# Altium PCB Turbo.PcbDoc (part 1 of 3) (continued)
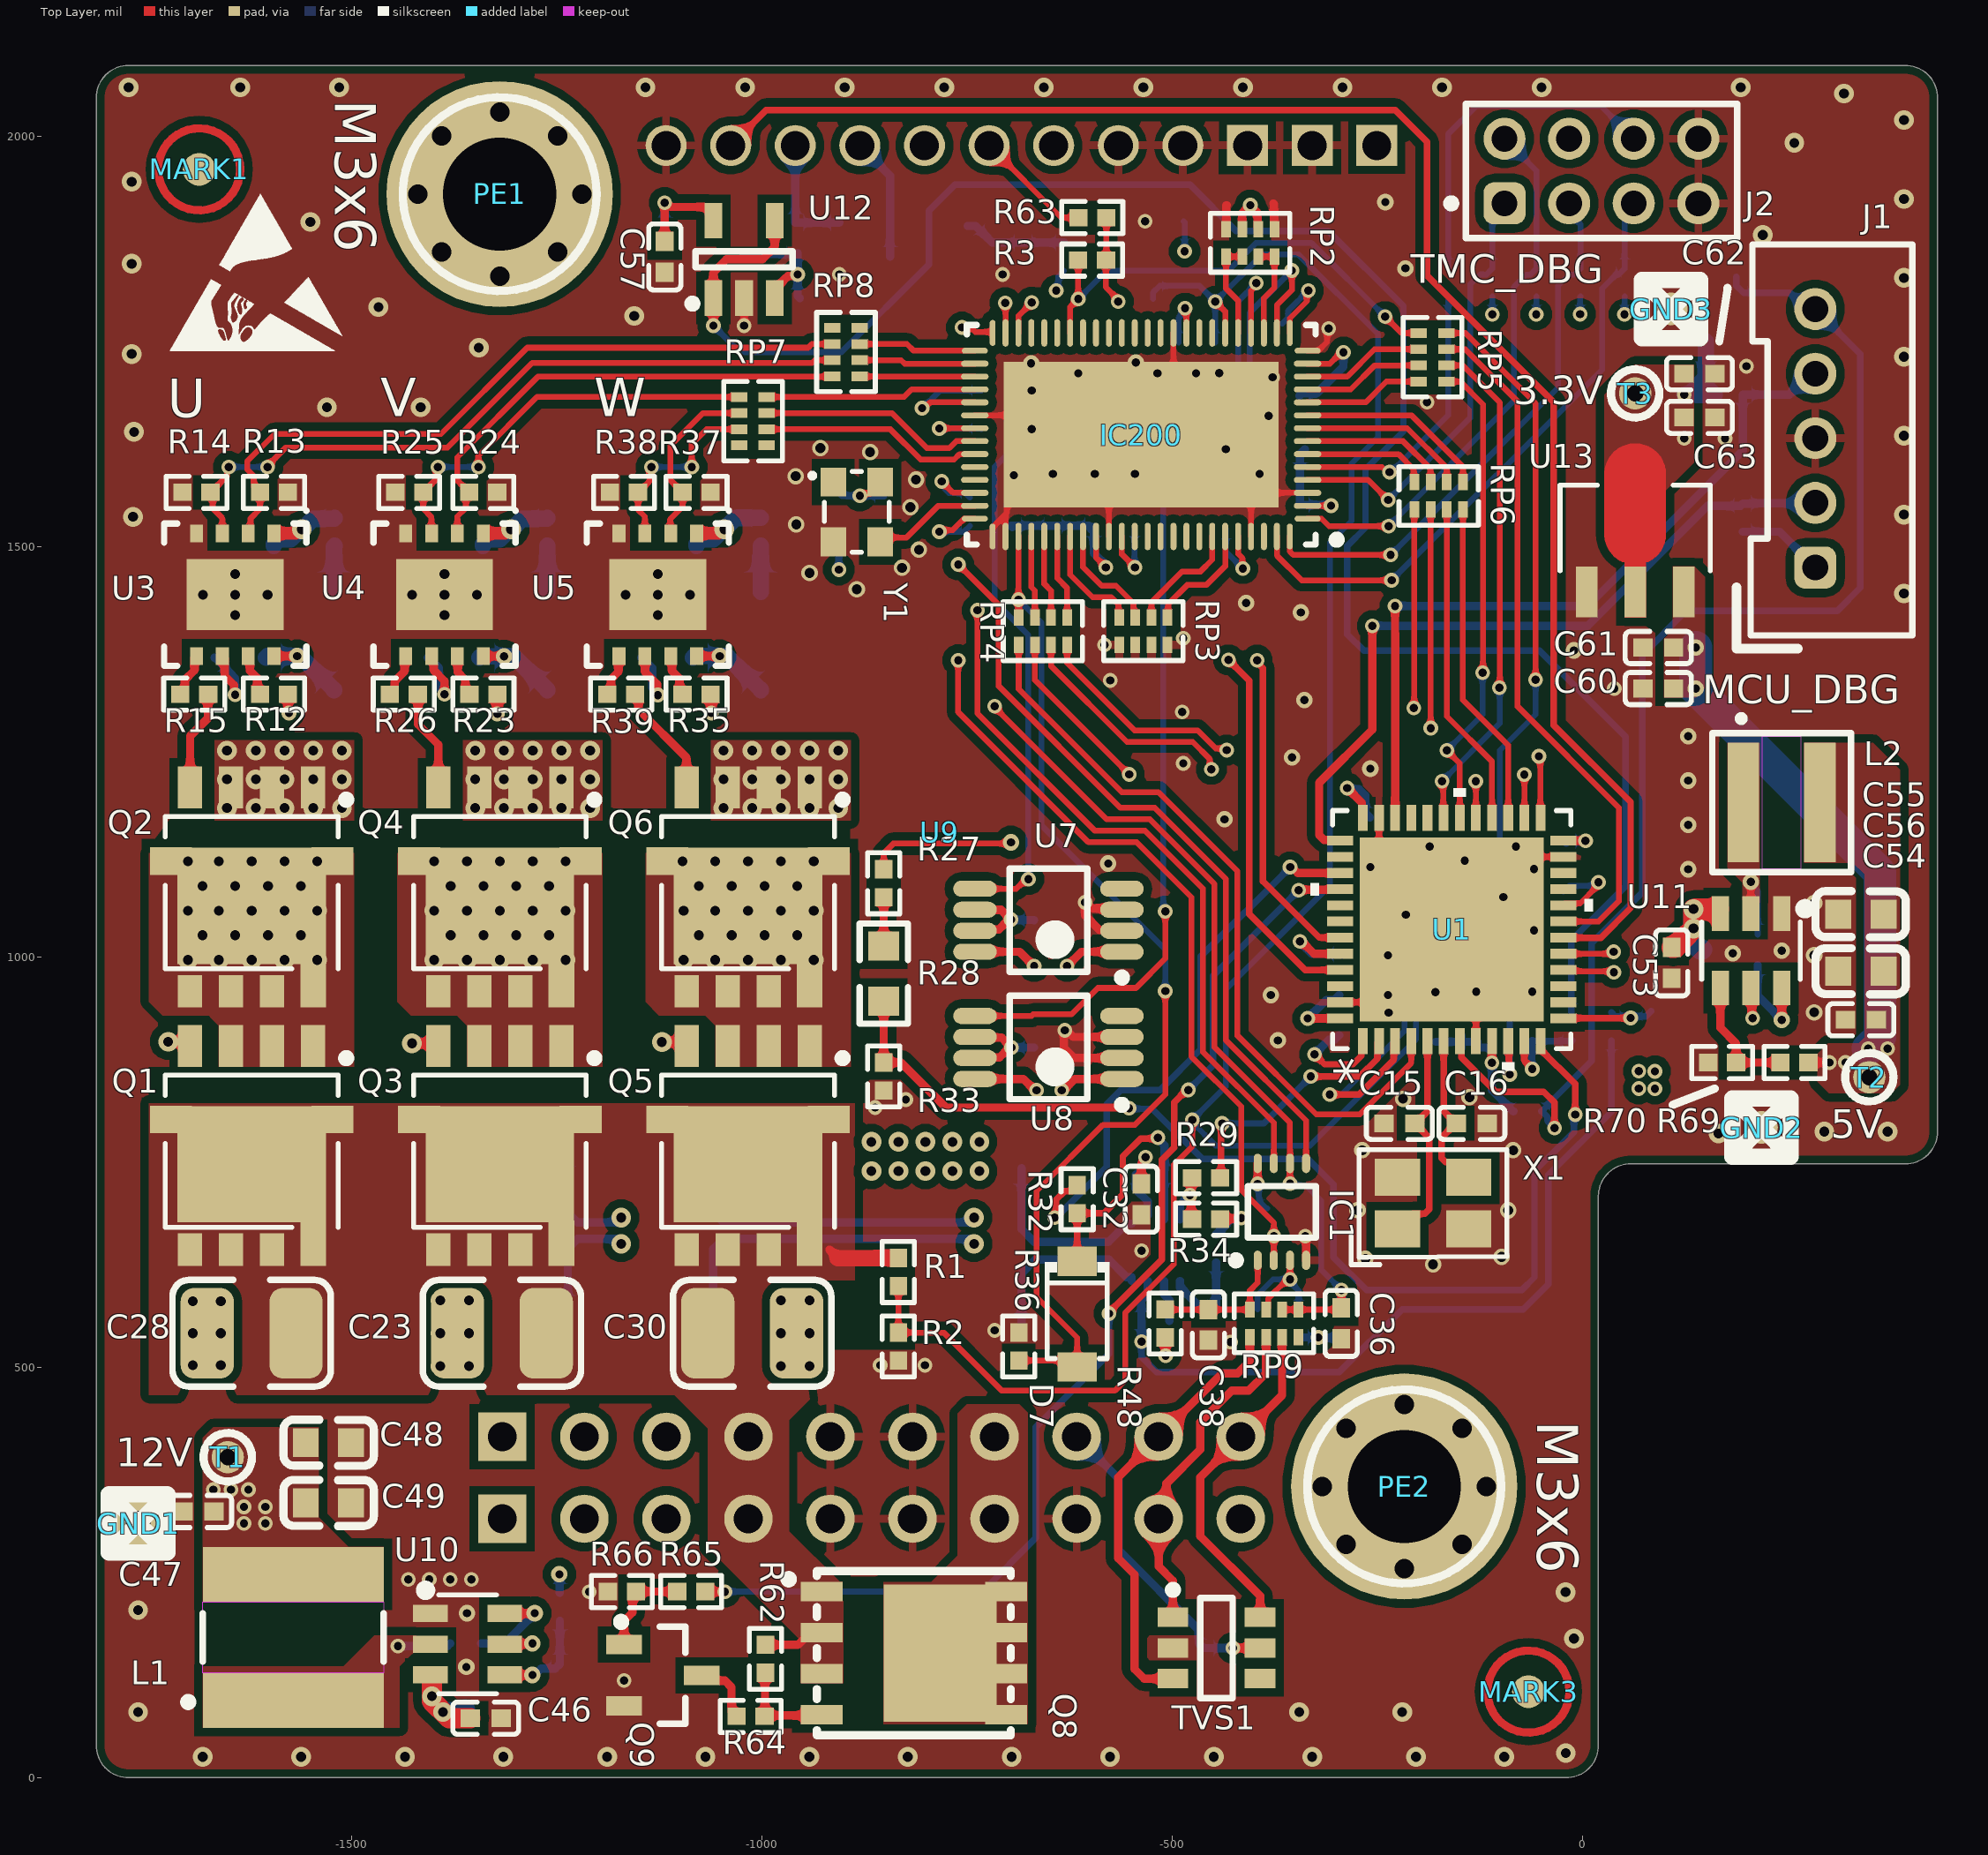
[diagram p0: Top Layer view]
## Footprints (in the part's own frame and the unit in brackets; to place one, negate y for a bottom-side part, rotate by r counter-clockwise, add the part's x,y. Pads: shape width x height; smd on the part's side, far side on the other; paste and mask are expansions set on the pad) (continued)
MARK_POINT [mil]
  round 40 smd: 0(0,0)
  Top Layer circle w10: c0,0 r50
MUS50/5/4Q [mm]
  rect 1.5x1.5 hole 0.9: 1(0,0) 2(2.54,0)
  round 1.5 hole 0.9: 3(0,-2.54) 4(2.54,-2.54) 5(0,-5.08) 6(2.54,-5.08) 7(0,-7.62) 8(2.54,-7.62) 9(0,-10.16) 10(2.54,-10.16) 11(0,-12.7) 12(2.54,-12.7) 13(0,-15.24) 14(2.54,-15.24) 15(0,-17.78) 16(2.54,-17.78) 17(0,-20.32) 18(2.54,-20.32) 19(0,-22.86) 20(2.54,-22.86)
  rect 1.27x1.27 hole 0.9: 21(42.506,-27.069) 22(42.506,-25.069) 23(42.506,-23.069)
  round 1.27 hole 0.9: 24(42.506,-21.069) 25(42.506,-19.069) 26(42.506,-17.069) 27(42.506,-15.069) 28(42.506,-13.069) 29(42.506,-11.069) 30(42.506,-9.069) 31(42.506,-7.069) 32(42.506,-5.069)
  silkscreen extent -2,-30.92 44,3.08
OSC-SMD_4P-L2.5-W2.0-BL-1 [mm] "2520"
  rect 0.9x0.8 smd paste+0 mask+0.05: 1(-0.925,-0.725) 2(0.925,-0.725) 3(0.925,0.725) 4(-0.925,0.725)
  silkscreen extent -1.25,-1.45 1.25,1
PG-TDSON-8 [mm]
  rect 1.3x0.75 smd: 1(-3.075,1.905) 2(-3.075,0.635) 3(-3.075,-0.635) 4(-3.075,-1.905)
  rect 1x0.75 smd: 5(3.225,-1.905) 6(3.225,-0.635) 7(3.225,0.635)
  rect 0.85x1.3 smd: 8(-0.8,2.5) 8(-0.8,-2.5)
  rect 3.6x4.6 smd: 8(0.585,0)
  rect 1.4x0.8 smd: 8(3.025,1.905)
  silkscreen extent -2.82,-2.68 2.54,3.05, body extent -2.95,-2.68 3.4,2.68, height 1
POWERPAK-SO-8_L6.1-W5.1-P1.27-BL-EP [mm]
  rect 0.6x1.3 smd paste-100 mask+0.051: D(-1.905,2.857) D(-0.635,2.857) D(0.635,2.857) D(1.905,2.858) G(1.905,-2.857) S(-1.905,-2.858) S(-0.635,-2.857) S(0.635,-2.857)
  rect 4.25x3.5 smd paste-100 mask+0.051: D(0,0.813)
  silkscreen extent -2.54,-4 2.54,3, body extent -2.57,-3.07 2.58,3.08, height 1.13
PSON80P400X80_HS-9N [mm] "PSON, 8-Leads, Body 4.00x4.00mm, Pitch 0.80mm, Thermal Pad 3.00x2.60mm, IPC Medium Density"
  rect 0.55x0.4 smd: 1(-1.9,1.2) 2(-1.9,0.4) 3(-1.9,-0.4) 4(-1.9,-1.2) 5(1.9,-1.2) 6(1.9,-0.4) 7(1.9,0.4) 8(1.9,1.2)
  rect 2.2x3 smd: 9(0,0)
  silkscreen extent -2.65,-2.2 2.2,2.25, body extent -2.05,-2.05 2.05,2.05, height 0.8
QFN40P1050X650X90_HS-77N [mm]
  oval 0.8x0.182 smd mask+0.051: 1(-5.15,2.6) 14(-5.15,-2.6) 39(5.15,-2.6) 52(5.15,2.6)
  oval 0.85x0.182 smd mask+0.051: 2(-5.15,2.2) 3(-5.15,1.8) 4(-5.15,1.4) 5(-5.15,1) 6(-5.15,0.6) 7(-5.15,0.2) 8(-5.15,-0.2) 9(-5.15,-0.6) 10(-5.15,-1) 11(-5.15,-1.4) 12(-5.15,-1.8) 13(-5.15,-2.2) 40(5.15,-2.2) 41(5.15,-1.8) 42(5.15,-1.4) 43(5.15,-1) 44(5.15,-0.6) 45(5.15,-0.2) 46(5.15,0.2) 47(5.15,0.6) 48(5.15,1) 49(5.15,1.4) 50(5.15,1.8) 51(5.15,2.2)
  oval 0.182x0.8 smd mask+0.051: 15(-4.6,-3.15) 38(4.6,-3.15) 53(4.6,3.15) 76(-4.6,3.15)
  oval 0.182x0.85 smd mask+0.051: 16(-4.2,-3.15) 17(-3.8,-3.15) 18(-3.4,-3.15) 19(-3,-3.15) 20(-2.6,-3.15) 21(-2.2,-3.15) 22(-1.8,-3.15) 23(-1.4,-3.15) 24(-1,-3.15) 25(-0.6,-3.15) 26(-0.2,-3.15) 27(0.2,-3.15) 28(0.6,-3.15) 29(1,-3.15) 30(1.4,-3.15) 31(1.8,-3.15) 32(2.2,-3.15) 33(2.6,-3.15) 34(3,-3.15) 35(3.4,-3.15) 36(3.8,-3.15) 37(4.2,-3.15) 54(4.2,3.15) 55(3.8,3.15) 56(3.4,3.15) 57(3,3.15) 58(2.6,3.15) 59(2.2,3.15) 60(1.8,3.15) 61(1.4,3.15) 62(1,3.15) 63(0.6,3.15) 64(0.2,3.15) 65(-0.2,3.15) 66(-0.6,3.15) 67(-1,3.15) 68(-1.4,3.15) 69(-1.8,3.15) 70(-2.2,3.15) 71(-2.6,3.15) 72(-3,3.15) 73(-3.4,3.15) 74(-3.8,3.15) 75(-4.2,3.15)
  rect 8.5x4.5 smd: 77(0,0)
  silkscreen extent -6.18,-3.4 5.4,3.4, body extent -5.25,-3.25 5.25,3.25, height 0.9
R0402#1 [mm]
  rect 0.566x0.54 smd paste-100 mask+0.051: 1(-0.433,0) 2(0.433,0)
  silkscreen extent -0.94,-0.5 0.94,0.5
R0402#2 [mm]
  rect 0.566x0.54 smd mask+0.051: 1(-0.433,0) 2(0.433,0)
  silkscreen extent -0.94,-0.5 0.94,0.5, body extent -0.5,-0.25 0.5,0.25, height 0.5
R-0603 [mm] "Chip Resistor, 2-Leads, Body 1.60x0.80mm, IPC Medium Density"
  rect 0.9x0.95 smd: 1(-0.85,0) 2(0.85,0)
  silkscreen extent -1.55,-0.75 1.55,0.75, body extent -0.85,-0.45 0.85,0.45, height 0.45
R-2512_4PIN [mm]
  rect 1x3.4 smd: 1(-3.25,-0.025) 1(-2.5,-0.025) 2(2.5,-0.025) 2(3.25,-0.025)
  silkscreen extent -4.13,-1.95 4.13,1.95, body extent -3.2,-1.6 3.2,1.57, height 0.45
RES-ARRAY-SMD_0402-8P-L2.0-W1.0-BL [mm]
  rect 0.3x0.505 smd: 1(-0.75,0.427) 2(-0.25,0.427) 3(0.25,0.427) 4(0.75,0.427) 5(0.75,-0.427) 6(0.25,-0.427) 7(-0.25,-0.427) 8(-0.75,-0.427)
  silkscreen extent -1.23,-0.91 1.23,0.91
SOD2512X100N [mm]
  rect 0.8x0.5 smd: 1(-1.3,0)
  rrect50% 0.8x0.5 smd: 2(1.3,0)
  silkscreen extent -1.42,-0.7 0.5,0.92, body extent -1.24,-0.7 1.24,0.7, height 1.1
SOD-123_L2.7-W1.6-LS3.7-RD [mm]
  rect 0.91x1.22 smd: 1(-1.635,0) 2(1.635,0)
  silkscreen extent -1.6,-1 1.38,1, body extent -1.85,-0.8 1.85,0.8, height 1.27
SODFL370X140-2N [mm]
  rect 1.25x1.2 smd: 1(-1.525,0) 2(1.525,0)
  silkscreen extent -2.22,-1 1.5,1.25, body extent -1.85,-1 1.85,1, height 1.4
SOT23-3 [mm] "SOT23, 3-Leads, Body 2.92x2.78mm, Pitch 0.95mm, IPC Medium Density"
  rect 1.1x0.6 smd: 1(-1.2,0.95) 2(-1.2,-0.95) 3(1.2,0)
  silkscreen extent -1.42,-1.5 0.7,1.78, body extent -1.5,-1.5 1.5,1.5, height 1.1
SOT23-5 [mm] "SOT23, 5-Leads, Body 2.90x2.80mm, Pitch 0.95mm, IPC Medium Density"
  rect 1.1x0.55 smd: 1(-1.2,0.95) 2(-1.2,0) 3(-1.2,-0.95) 4(1.2,-0.95) 5(1.2,0.95)
  silkscreen extent -1.5,-1.5 0.25,1.72, body extent -1.5,-1.5 1.5,1.5, height 1.1
SOT95P280X145-6N [mm] "SOT23, 6-Leads, Body 2,95x2,80mm, Pitch 0,95mm, IPC Medium Density"
  rect 0.95x0.6 smd: 1(-1.35,0.95) 2(-1.35,0) 3(-1.35,-0.95) 4(1.35,-0.95) 5(1.35,0) 6(1.35,0.95)
  silkscreen extent -1.47,-1.55 0.5,1.92, body extent -1.4,-1.55 1.4,1.55, height 1.45
SOT-23-3_L2.9-W1.3-P1.90-LS2.4-BR [mm]
  rect 1.25x0.7 smd: 1(1,-0.95) 2(1,0.95) 3(-1,0)
  silkscreen extent -0.73,-1.53 0.73,1.53, body extent -1.27,-1.45 1.23,1.45, height 1.05
SOT-23-6_L2.9-W1.6-P0.95-LS2.9-BL [mil]
  rect 20.95x42.2 smd: 1(-37.4,-45.24) 2(0,-45.24) 3(37.4,-45.24) 4(37.4,45.24) 5(0,45.24) 6(-37.4,45.24)
  silkscreen extent -72,-57 60,35, body extent -57,-57 57,57, height 45
SOT-89-3_L4.5-W2.5-P1.50-LS4.0-BR [mm]
  rect 1.575x0.672 smd: 1(0,0) 2(0,1.5) 3(0,3)
  Top Layer region: -3.644,2.448 -1.79,2.448 -1.745,2.447 -1.701,2.444 -1.657,2.439 -1.613,2.432 -1.569,2.422 -1.526,2.411 -1.484,2.398 -1.442,2.382 -1.401,2.365 -1.361,2.346 -1.321,2.325 -1.283,2.302 -1.246,2.277 -1.21,2.251 -1.176,2.223 -1.142,2.193 -1.11,2.162 -1.08,2.13 -1.051,2.096 -1.024,2.06 -0.998,2.024 -0.975,1.986 -0.953,1.947 -0.933,1.908 -0.914,1.828 0.787,1.828 0.787,1.168 -0.914,1.168 -0.933,1.089 -0.953,1.049 -0.975,1.011 -0.998,0.973 -1.024,0.936 -1.051,0.901 -1.08,0.867 -1.11,0.835 -1.142,0.803 -1.176,0.774 -1.21,0.746 -1.246,0.719 -1.283,0.695 -1.321,0.672 -1.361,0.651 -1.401,0.632 -1.442,0.614 -1.484,0.599 -1.526,0.586 -1.569,0.574 -1.613,0.565 -1.657,0.558 -1.701,0.553 -1.745,0.549 -1.79,0.548 -3.644,0.548 -3.689,0.549 -3.733,0.553 -3.777,0.558 -3.821,0.565 -3.865,0.574 -3.908,0.586 -3.95,0.599 -3.992,0.614 -4.033,0.632 -4.073,0.651 -4.113,0.672 -4.151,0.695 -4.188,0.719 -4.224,0.746 -4.259,0.774 -4.292,0.803 -4.324,0.835 -4.354,0.867 -4.383,0.901 -4.41,0.936 -4.436,0.973 -4.459,1.011 -4.481,1.049 -4.501,1.089 -4.52,1.13 -4.536,1.171 -4.55,1.213 -4.563,1.256 -4.573,1.299 -4.581,1.343 -4.588,1.387 -4.592,1.432 -4.594,1.476 -4.594,1.521 -4.592,1.565 -4.588,1.609 -4.581,1.654 -4.573,1.697 -4.563,1.741 -4.55,1.783 -4.536,1.826 -4.52,1.867 -4.501,1.908 -4.481,1.947 -4.459,1.986 -4.436,2.024 -4.41,2.06 -4.383,2.096 -4.354,2.13 -4.324,2.162 -4.292,2.193 -4.259,2.223 -4.224,2.251 -4.188,2.277 -4.151,2.302 -4.113,2.325 -4.073,2.346 -4.033,2.365 -3.992,2.382 -3.95,2.398 -3.908,2.411 -3.865,2.422 -3.821,2.432 -3.777,2.439 -3.733,2.444 -3.689,2.447
  silkscreen extent -3.31,-0.83 -0.65,3.83, body extent -3.78,-0.76 0.22,3.74, height 1.51
TP-SIP-1-GND#1 [mil]
  round 60 hole 30: 1(0,0)
  silkscreen extent -35,-35 35,35
TP-SIP-1-GND#2 [mil]
  round 40 hole 20: 1(0,0)
  silkscreen extent -35,-35 35,35
TP-SIP-1-Small [mm]
  round 1 hole 0.5: 1(0,0)
  silkscreen extent -0.75,-0.75 0.75,0.75
TSOP65P490X95-8N [mm] "TSOP, 8-Leads, Body 3.00x3.00mm, Pitch 0.65mm, IPC Medium Density"
  oval 1.35x0.5 smd: 1(-2.275,0.975) 2(-2.275,0.325) 3(-2.275,-0.325) 4(-2.275,-0.975) 5(2.275,-0.975) 6(2.275,-0.325) 7(2.275,0.325) 8(2.275,0.975)
  silkscreen extent -2.4,-1.6 1.2,1.9, body extent -2.45,-1.6 2.45,1.6, height 0.95
TSSOP50P310X90-8L [mm] "TSSOP, 8-Leads, Body 2,00x2,30mm, Pitch 0,50mm, IPC High Density"
  oval 0.6x0.25 smd: 1(-1.5,0.75) 2(-1.5,0.25) 3(-1.5,-0.25) 4(-1.5,-0.75) 5(1.5,-0.75) 6(1.5,-0.25) 7(1.5,0.25) 8(1.5,0.75)
  silkscreen extent -1.62,-1.05 0.8,1.55, body extent -1.55,-1.05 1.55,1.05, height 0.9
UFQFPN-48_7X7X0P55MM [mil]
  rect 32x12 smd paste+0 mask+0: 1(-136,108.27) 2(-136,88.58) 3(-136,68.9) 4(-136,49.21) 5(-136,29.53) 6(-136,9.84) 7(-136,-9.84) 8(-136,-29.53) 9(-136,-49.21) 10(-136,-68.9) 11(-136,-88.58) 12(-136,-108.27) 25(136,-108.27) 26(136,-88.58) 27(136,-68.9) 28(136,-49.21) 29(136,-29.53) 30(136,-9.84) 31(136,9.84) 32(136,29.53) 33(136,49.21) 34(136,68.9) 35(136,88.58) 36(136,108.27)
  rect 12x32 smd paste+0 mask+0: 13(-108.27,-136) 14(-88.58,-136) 15(-68.9,-136) 16(-49.21,-136) 17(-29.53,-136) 18(-9.84,-136) 19(9.84,-136) 20(29.53,-136) 21(49.21,-136) 22(68.9,-136) 23(88.58,-136) 24(108.27,-136) 37(108.27,136) 38(88.58,136) 39(68.9,136) 40(49.21,136) 41(29.53,136) 42(9.84,136) 43(-9.84,136) 44(-29.53,136) 45(-49.21,136) 46(-68.9,136) 47(-88.58,136) 48(-108.27,136)
  rect 224x224 smd paste-112 mask+0: 49(0,0)
  silkscreen extent -172,-172 172,172, body extent -140,-140 140,140, height 24
WE-MAPI_4020 [mm] "SMT Shielded Power Inductor, body 4.1x4.1mm"
  rect 0.98x3.7 smd: 1(-1.185,0) 2(1.185,0)
  Top Layer keep-out region: -0.595,2.05 0.595,2.05 0.595,-2.05 -0.595,-2.05
  silkscreen extent -2.15,-2.15 2.15,2.7, body extent -2.05,-2.05 2.05,2.05, height 2.1
WE-MAPI_5030 [mm] "SMD Power Inductor, 2-leads, body 5.6x5.6mm"
  rect 1.7x5.6 smd: 1(-1.95,0) 2(1.95,0)
  Top Layer keep-out region: -1.1,2.8 1.1,2.8 1.1,-2.8 -1.1,-2.8
  silkscreen extent -2.12,-2.8 0.75,3.37, body extent -2.7,-2.7 2.7,2.7, height 3.1
WSON-8_L2.0-W2.0-P0.50-BL-EP0.9 [mm]
  rect 0.25x0.521 smd: 1(-0.75,-0.95) 2(-0.25,-0.95) 3(0.25,-0.95) 4(0.75,-0.95) 5(0.75,0.95) 6(0.25,0.95) 7(-0.25,0.95) 8(-0.75,0.95)
  rect 1.613x0.902 smd: 9(-0.013,0)
  silkscreen extent -1.22,-1.47 1.06,1.06
固定孔-M3 [mm]
  round 1 hole 0.6: 1(-2.54,0) 1(-1.796,-1.796) 1(-1.796,1.796) 1(0,-2.54) 1(0,2.54) 1(1.796,-1.796) 1(1.796,1.796) 1(2.54,0)
  round 7 hole 3.5: 1(0,0)

## Part data
C1 C43: library part C-0603, "CL05B103KB5NNNC"
C2 C6 C7 C8 C9 C10 C11 C12 C13 C14 C15 C16 C17 C18 C19 C20 C21 C32 C33 C34 C39 C40 C41 C44 C46 C47 C51 C53 C54 C57 C61 C62: library part Cap, "Capacitor", LatestRevisionDate=17-Jul-2002, LatestRevisionNote="Re-released for DXP Platform.", PackageDescription="Radial Cap, Thru-Hole; 2 Leads; 0.3 in Pin Spacing", PackageReference=RAD-0.3, Published=8-Jun-2000, Publisher="Altium Limited"
C3: library part Cap, "CL05B474KP5NNNC", LatestRevisionDate=17-Jul-2002, LatestRevisionNote="Re-released for DXP Platform.", PackageDescription="Radial Cap, Thru-Hole; 2 Leads; 0.3 in Pin Spacing", PackageReference=RAD-0.3, Published=8-Jun-2000, Publisher="Altium Limited"
C4 C5: library part Cap, "CL05A475KP5NRNC", LatestRevisionDate=17-Jul-2002, LatestRevisionNote="Re-released for DXP Platform.", PackageDescription="Radial Cap, Thru-Hole; 2 Leads; 0.3 in Pin Spacing", PackageReference=RAD-0.3, Published=8-Jun-2000, Publisher="Altium Limited"
C22: library part Cap, "CL05B105KQ5NQNC", LatestRevisionDate=17-Jul-2002, LatestRevisionNote="Re-released for DXP Platform.", PackageDescription="Radial Cap, Thru-Hole; 2 Leads; 0.3 in Pin Spacing", PackageReference=RAD-0.3, Published=8-Jun-2000, Publisher="Altium Limited"
C23 C28 C30: library part C-1210, "CL32B475KBUYNNE"
C24 C25 C26: library part Cap, "CL10B105KA8NNNC", LatestRevisionDate=17-Jul-2002, LatestRevisionNote="Re-released for DXP Platform.", PackageDescription="Radial Cap, Thru-Hole; 2 Leads; 0.3 in Pin Spacing", PackageReference=RAD-0.3, Published=8-Jun-2000, Publisher="Altium Limited"
C27 C29 C31: library part C-0603, "CL10B104KB8NNNC"
C35 C42: library part Cap, "CL05B222JB5NNNC", LatestRevisionDate=17-Jul-2002, LatestRevisionNote="Re-released for DXP Platform.", PackageDescription="Radial Cap, Thru-Hole; 2 Leads; 0.3 in Pin Spacing", PackageReference=RAD-0.3, Published=8-Jun-2000, Publisher="Altium Limited"
C36 C37 C38: library part Cap, "CL05C101JB5NNNC", LatestRevisionDate=17-Jul-2002, LatestRevisionNote="Re-released for DXP Platform.", PackageDescription="Radial Cap, Thru-Hole; 2 Leads; 0.3 in Pin Spacing", PackageReference=RAD-0.3, Published=8-Jun-2000, Publisher="Altium Limited"
C45 C52: library part Cap, "CL10A225KB8NNNC", LatestRevisionDate=17-Jul-2002, LatestRevisionNote="Re-released for DXP Platform.", PackageDescription="Radial Cap, Thru-Hole; 2 Leads; 0.3 in Pin Spacing", PackageReference=RAD-0.3, Published=8-Jun-2000, Publisher="Altium Limited"
C48 C49 C55 C56: library part Cap, "CL10A106MA8NRNC", LatestRevisionDate=17-Jul-2002, LatestRevisionNote="Re-released for DXP Platform.", PackageDescription="Radial Cap, Thru-Hole; 2 Leads; 0.3 in Pin Spacing", PackageReference=RAD-0.3, Published=8-Jun-2000, Publisher="Altium Limited"
C58 C59: library part Cap, "CL05B102KB5NNNC", LatestRevisionDate=17-Jul-2002, LatestRevisionNote="Re-released for DXP Platform.", PackageDescription="Radial Cap, Thru-Hole; 2 Leads; 0.3 in Pin Spacing", PackageReference=RAD-0.3, Published=8-Jun-2000, Publisher="Altium Limited"
C60 C63: library part Cap, "CL05A106MP5NUNC", LatestRevisionDate=17-Jul-2002, LatestRevisionNote="Re-released for DXP Platform.", PackageDescription="Radial Cap, Thru-Hole; 2 Leads; 0.3 in Pin Spacing", PackageReference=RAD-0.3, Published=8-Jun-2000, Publisher="Altium Limited"
D1 D9: "品牌：NXP，型号：BAT54S，0.11A,30V，ROHS", MF=NXP, MPN=BAT54S
D2 D4 D6: library part 50491, "品牌：DIOTEC，型号：SKL110，1A，100V，ROHS", Manufacturer="Diotec  Semiconductor", HelpURL=http://diotec.com/tl_files/diotec/files/pdf/datasheets/skl12, Id=50491, Part Number=SKL110, Type=Diode
D3 D5 D8: library part ZENER, "品牌：NXP，型号：BZX384-B13，13V，SOD-323，ROHS", Manufacturer=Nexperia, HelpURL=http://assets.nexperia.com/documents/data-sheet/BZX384_SERIES.pdf, Id=50513, Part Number=BZX384-B13, Type=ZEN
D7: library part Diode_Schottky, "直流反向耐压(Vr):40V;平均整流电流(Io):3A;正向压降(Vf):500mV@3A;", Average Rectified Current (Io)=3A, Forward Voltage (Vf@If)=500mV@3A, JLCPCB Part Class=扩展库, LCSC Part Name="40V 3A 500mV@3A", Manufacturer=DIODES(美台), Manufacturer Part=B340A-13-F, Reverse Voltage (Vr)=40V, Add into BOM=yes, Convert to PCB=yes, Datasheet=https://atta.szlcsc.com/upload/public/pdf/source/20171023/C134454_15087453575121052549.pdf, Device=B340A-13-F, Name=B340A-13-F, Supplier=LCSC, Supplier Footprint=SMA(DO-214AC), Supplier Part=C85098, Symbol=B340A-13-F
FB1: library part FB-0603, "品牌：TDK，型号：MPZ1608S601A , 600 ohm@100MHz ，1 A，25%，ROHS"
GND1 GND2 GND3 T1 T2 T3: library part TP-SIP-1-Small
IC1: "品牌：TI，型号： 74LVC3G17, 1.65 V to 5.5 V, VSSOP-8，，ROH", MF="TEXAS INSTRUMENTS", MPN=SN74LVC3G17DCUR
IC200: "品牌：TRINAMIC，型号：TMC4671，ROHS", MF=TRINAMIC, MPN=TMC4671
J1: "品牌：JST 型号：B5B-PH-K-S，直插，间距2.00，5pin", 制造商=JST, 名称=插座2针，2.0间距, 物料编号=B5B-PH-K-S
J2: "WR-PHD Pin Header, THT, Vertical, pitch 2mm, 2 Row, 8P", Contact Resistance=20mOhm, Manufacturer="Wurth Elektronik", Operating Temperature Max=105°C, Operating Temperature Min=-40°C, Rated Current=2A, Withstanding Voltage=500V, Working Voltage=200V, Category="Board-to-Board Connectors", ComponentLink1Description="Website Link", ComponentLink1URL=https://www.we-online.com/redexpert/article/62000821121?ad, ComponentLink2Description="Datasheet Link", ComponentLink2URL=https://www.we-online.com/redexpert/spec/62000821121?ad, Gender="Pin Header", Manufacturer Part Number=62000821121, Match Code=WR-PHD, Mount="Through Hole", Number of Pins=8, Number of Rows=2, Orientation=Vertical, Packaging=Bag, Pitch=2mm
L1: library part 74438367100, "WE-MAPI, size 5030, 10uH, 3.3A, 70.2mOhm", Case/Size Code=5030, DC Resistance=61mOhm, DC Resistance Max=70.2mOhm, Inductance=10uH, Manufacturer="Wurth Elektronik", Operating Temperature Max=125°C, Operating Temperature Min=-40°C, Rated Current=3.3A, Saturation Current=4.8A, Self Resonant Frequency=13MHz, ComponentLink1Description="Website Link", ComponentLink1URL=https://www.we-online.com/redexpert/article/74438367100?ad, ComponentLink2Description="Datasheet Link", ComponentLink2URL=https://www.we-online.com/redexpert/spec/74438367100?ad, Height=3.1mm, Length=5.4mm, Manufacturer Part Number=74438367100, Match Code=WE-MAPI, Mount="Surface Mount", Packaging="Tape and Reel", Width=5.4mm
L2: library part 74438356150, "WE-MAPI, size 4020, 15uH, 1.9A, 230mOhm", Case/Size Code=4020, DC Resistance=200mOhm, DC Resistance Max=230mOhm, Inductance=15uH, Manufacturer="Wurth Elektronik", Operating Temperature Max=125°C, Operating Temperature Min=-40°C, Rated Current=1.9A, Saturation Current=2.1A, Self Resonant Frequency=14MHz, ComponentLink1Description="Website Link", ComponentLink1URL=https://www.we-online.com/redexpert/article/74438356150?ad, ComponentLink2Description="Datasheet Link", ComponentLink2URL=https://www.we-online.com/redexpert/spec/74438356150?ad, Height=2.1mm, Length=4.1mm, Manufacturer Part Number=74438356150, Match Code=WE-MAPI, Mount="Surface Mount", Packaging="Tape and Reel", Width=4.1mm
PE1 PE2: library part CON1, "Connector"
Q1 Q2 Q3 Q4 Q5 Q6: library part BSC027N04LS, "品牌：INFINEON，型号： BSC027N04LSG，40V，100A，ROHS", 制造商=Infineon, 名称=BSC030N08NS5ATMA1, 版本=V1.00, 物料编号=apply, 详细描述="品牌：INFINEON，型号： BSC027N04LSG，40V，100A，ROHS"
Q8: library part MOSFET-P, "类型 P沟道  / 漏源电压(Vdss) 40V  / 连续漏极电流(Id) 46A  / 功率(Pd) 5W；39W  / 导通电阻(RDS(on)@Vgs,Id) 10mΩ@15A,10V  / 阈值电压(Vgs(th)@Id) 2.3V@250uA", Continuous Drain Current (Id)=46A, Drain Source On Resistance (RDS(on)@Vgs,Id)=10mΩ@15A,10V, Drain Source Voltage (Vdss)=40V, Gate Threshold Voltage (Vgs(th)@Id)=2.3V@250uA, Input Capacitance (Ciss@Vds)=4.15nF@20V, JLCPCB Part Class="Extended Part", LCSC Part Name="P沟道 耐压:40V 电流:46A", Manufacturer=VISHAY(威世), Operating Temperature=-55℃~+150℃@(Tj), Power Dissipation (Pd)=5W；39W, Reverse Transfer Capacitance (Crss@Vds)=-, Add into BOM=yes, Convert to PCB=yes, Datasheet=https://atta.szlcsc.com/upload/public/pdf/source/20201103/C469466_DEB614A703506C939C03FF0A9B0AE822.pdf, Device=SI7463ADP-T1-GE3, Manufacturer Part=SI7463ADP-T1-GE3, Supplier=LCSC, Supplier Footprint=PowerPAK-SO-8, Supplier Part=C469466, Symbol=SI7463ADP-T1-GE3, Total Gate Charge (Qg@Vgs)=144nC@10V, Type=P沟道
R1 R36: library part Res_0402, "RC0402FR-07100KL", LatestRevisionDate=17-Jul-2002, LatestRevisionNote="Re-released for DXP Platform.", PackageDescription="Axial Device, Thru-Hole; 2 Leads; 0.3 in Pin Spacing", PackageReference=AXIAL-0.3, Published=8-Jun-2000, Publisher="Altium Limited"
R2 R3 R4 R5 R6 R7 R8 R9 R10 R16 R27 R29 R30 R32 R33 R34 R42 R43 R44 R45 R46 R47 R48 R57 R58 R63 R71 R72 R73: library part R-0603
R11 R17 R18 R19 R20 R21 R31 R49 R54 R62 R64 R65 R66: library part Res_0402, "Resistor", LatestRevisionDate=17-Jul-2002, LatestRevisionNote="Re-released for DXP Platform.", PackageDescription="Axial Device, Thru-Hole; 2 Leads; 0.3 in Pin Spacing", PackageReference=AXIAL-0.3, Published=8-Jun-2000, Publisher="Altium Limited"
R12 R13 R14 R15 R23 R24 R25 R26 R35 R37 R38 R39: library part Res, "Resistor", LatestRevisionDate=17-Jul-2002, LatestRevisionNote="Re-released for DXP Platform.", PackageDescription="Axial Device, Thru-Hole; 2 Leads; 0.3 in Pin Spacing", PackageReference=AXIAL-0.3, Published=8-Jun-2000, Publisher="Altium Limited"
R28: library part R-0603, "品牌：VISHAY，型号：NTCS0603E3103FHT，10K@25℃, 1%，B=3960,ROHS"
R40 R41: library part R-2512, "PA2512FKF7T0R004E"
R51 R55 R56: library part R-2512, "PA2512FKF7W7U5E / 7.5mOhms 2W 100PPM/C 1 % 2512"
R67 R69: library part R-0603, "RC0402FR-07100KL"
R68: library part R-0603, "RC0402FR-075K23L"
R70: library part R-0603, "RC0402FR-0713K7L"
RP2 RP3 RP4 RP5 RP6 RP7 RP8 RP9: library part RP-0603
TVS1: library part "ESD, TVS, SRV05-4.TCT", "品牌：SEMTECH ，型号：SRV05-4.TCT，ROHS", MF=SEMTECH, MPN=SRV05-4.TCT
U1: Mfr_Name=STMicroelectronics, RefDes=RefDes, Type=Type
U2: library part CAT8xxxxxI-(G)T3, "3-Pin Microprocessor Power Supply Supervisors / − CAT803: Open−Drain Active LOW Reset /  − CAT809: Push−Pull Active LOW Reset /  − CAT810: Push−Pull Active HIGH Reset", Dropout Voltage=250mV@(200mA), JLCPCB Part Class="Extended Part", LCSC Part Name=TLV70015DDCR, Manufacturer=TI(德州仪器), Maximum Input Voltage=5.5V, Operating Temperature=-40℃~+125℃@(Tj), Output Current=200mA, Output Voltage=1.5V, Power Supply Rejection Ratio (PSRR)=68dB@(1kHz), Quiescent Current (Ground Current)=55uA, Add into BOM=yes, Convert to PCB=yes, Datasheet=https://atta.szlcsc.com/upload/public/pdf/source/20230221/CBA3FAF2ECD8317094AE1D26AA0CA23B.pdf, Device=TLV70015DDCR, Manufacturer Part=TLV70015DDCR, Name=TLV70015DDCR, Number of Outputs=1, Output Polarity=正, Output Type=固定, Supplier=LCSC, Supplier Footprint=SOT-23-Thin-5, Supplier Part=C2865100, Symbol=TLV70015DDCR
U3 U4 U5: library part LM5109, "品牌：TI，型号：LM5109BSD/NOPB，ROHS", Manufacturer="Texas Instruments", HelpURL=http://www.ti.com/lit/ds/symlink/lm5109b.pdf, Id=50490, Part Number=LM5109BSD/NOPB, Type=DRV
U6: library part INA381A2IDSGR, "品牌：TI，型号：INA381A1IDGSR，ROHS", Mfr_Name="Texas Instruments", Copyright="Copyright (C) 2022 Ultra Librarian. All rights reserved.", Manufacturer_Part_Number=INA381A3IDGSR, RefDes=RefDes, Type=DEV
U7 U8: library part AD8418, "品牌：ADI，型号：AD8418ABRMZ，ROHS", Manufacturer="Analog Devices", HelpURL=http://www.analog.com/media/en/technical-documentation/data-sheets/AD8418A.pdf, Id=50496, Part Number=AD8418ABRMZ, Type=DIFAMP
U9: "品牌：长江（CJT） / A: A2005WVA-12P / B: A2541WV-2x10P"
U10 U11: library part LMR51430Y, "输入电压 4.5V~36V  / 输出电压 600mV~34.2V  / 输出电流(最大值) 3A  / 开关频率 1.1MHz  / 工作温度 -40℃~+150℃  / 静态电流(Iq) 40uA"
U12: "品牌：TI，型号：TLV333IDBVR,SOIC-8,–25°~+85°C,单运放，ROHS"
U13: library part 1117_SOT89, "SOT-89-3"
X1: library part CRYSTAL, "Crystal 8MHz ±10ppm 10pF 200 Ohm -10°C ~ 60°C Surface Mount 4-SMD, No Lead (DFN, LCC)", Frequency Stability=±10ppm, Load Capacitance=10pF, Manufacturer="Abracon LLC", Manufacturer Part Number=ABM3B-8.000MHZ-10-1-U-T, Operating Mode=Fundamental, Operating Temperature="-10°C ~ 60°C", Package / Case="4-SMD, No Lead", Ratings=-, Supplier Part Number 1=535-9721-1-ND, Category="Crystals, Oscillators, Resonators", ComponentLink1Description=http://www.abracon.com/Resonators/abm3b.pdf, ComponentLink1URL=http://www.abracon.com/Resonators/abm3b.pdf, Frequency Tolerance=±10ppm, Height - Seated (Max)="0.043\" (1.10mm)", Mounting Type="Surface Mount", Packaging="Cut Tape (CT)", Part Status=Active, Pricing 1="1=0.69, 10=0.578, 50=0.5198, 100=0.462, 500=0.4389 (USD)", Pricing 2="1000=0.336, 3000=0.315, 5000=0.3045, 10000=0.294 (USD)", RoHS="RoHS Compliant", Size / Dimension="0.197\" L x 0.126\" W (5.00mm x 3.20mm)", Stock=35437, Supplier 1=Digi-Key, Supplier 2=Digi-Key, Supplier Part Number 2=535-9721-2-ND, Type="MHz Crystal"
Y1: library part oscillator, "YSO110TR 25MHZ 1.8V-3.3V ±10PPM -40~85℃（±20PPM) CMOS OT3JI-111-25M", Frequency Stability=±20ppm, JLCPCB Part Class="Extended Part", LCSC Part Name="3225 100MHz 1.8~3.3V 20ppm  OE  SMD_4P -40~+105℃", Manufacturer=EPSON(爱普生), Manufacturer Part="SG-8101CE 100.000000MHz TCHPA", Operating Temperature=-40℃~+105℃, Supply Voltage=1.8V~3.3V, Add into BOM=yes, Convert to PCB=yes, Datasheet=https://atta.szlcsc.com/upload/public/pdf/source/20190626/C390559_D0305530A2A3721045533DB4F9788766.pdf, Device="SG-8101CE 100.000000MHz TCHPA", Name=100MHz, Supplier=LCSC, Supplier Footprint=SMD3225-4P, Supplier Part=C390559, Symbol=SG-8101CE-100.000000MHZ-TCHPA

## Via types
v1: diameter 24, hole 12, Top Layer to Bottom Layer, 215 vias
v2: diameter 18, hole 10, Top Layer to Bottom Layer, 185 vias
v3: diameter 20, hole 10, Top Layer to Bottom Layer, 40 vias
v4: diameter 20, hole 12, Top Layer to Bottom Layer, tented top, 19 vias
v5: diameter 23.62, hole 12, Top Layer to Bottom Layer, tented both sides, 15 vias
v6: diameter 18, hole 10, Top Layer to Bottom Layer, tented top, 4 vias
v7: diameter 20, hole 12, Top Layer to Bottom Layer, 3 vias